# Altium PCB KlusterLab r2.0.PcbDoc (part 19 of 22)
Units mm, origin at the board's own origin, x right, y up, seen from the top; angles counter-clockwise.
Board outline 232 x 250 mm, 12 copper layers (L1 Top, L2 Inner1 (GND), L3 Inner2 (Sig), L4 Inner3 (GND), L5 Inner4 (PWR), L6 Inner5 (PWR), L7 Inner6 (PWR), L8 Inner7 (PWR), L9 Inner8 (GND), L10 Inner9 (Sig), L11 Inner10 (GND), L12 Bottom), stack 1.614 mm thick; 1169 components, 852 nets, 4679 pads, 5115 vias.
Unrouted connection lines stored in the file: 1.
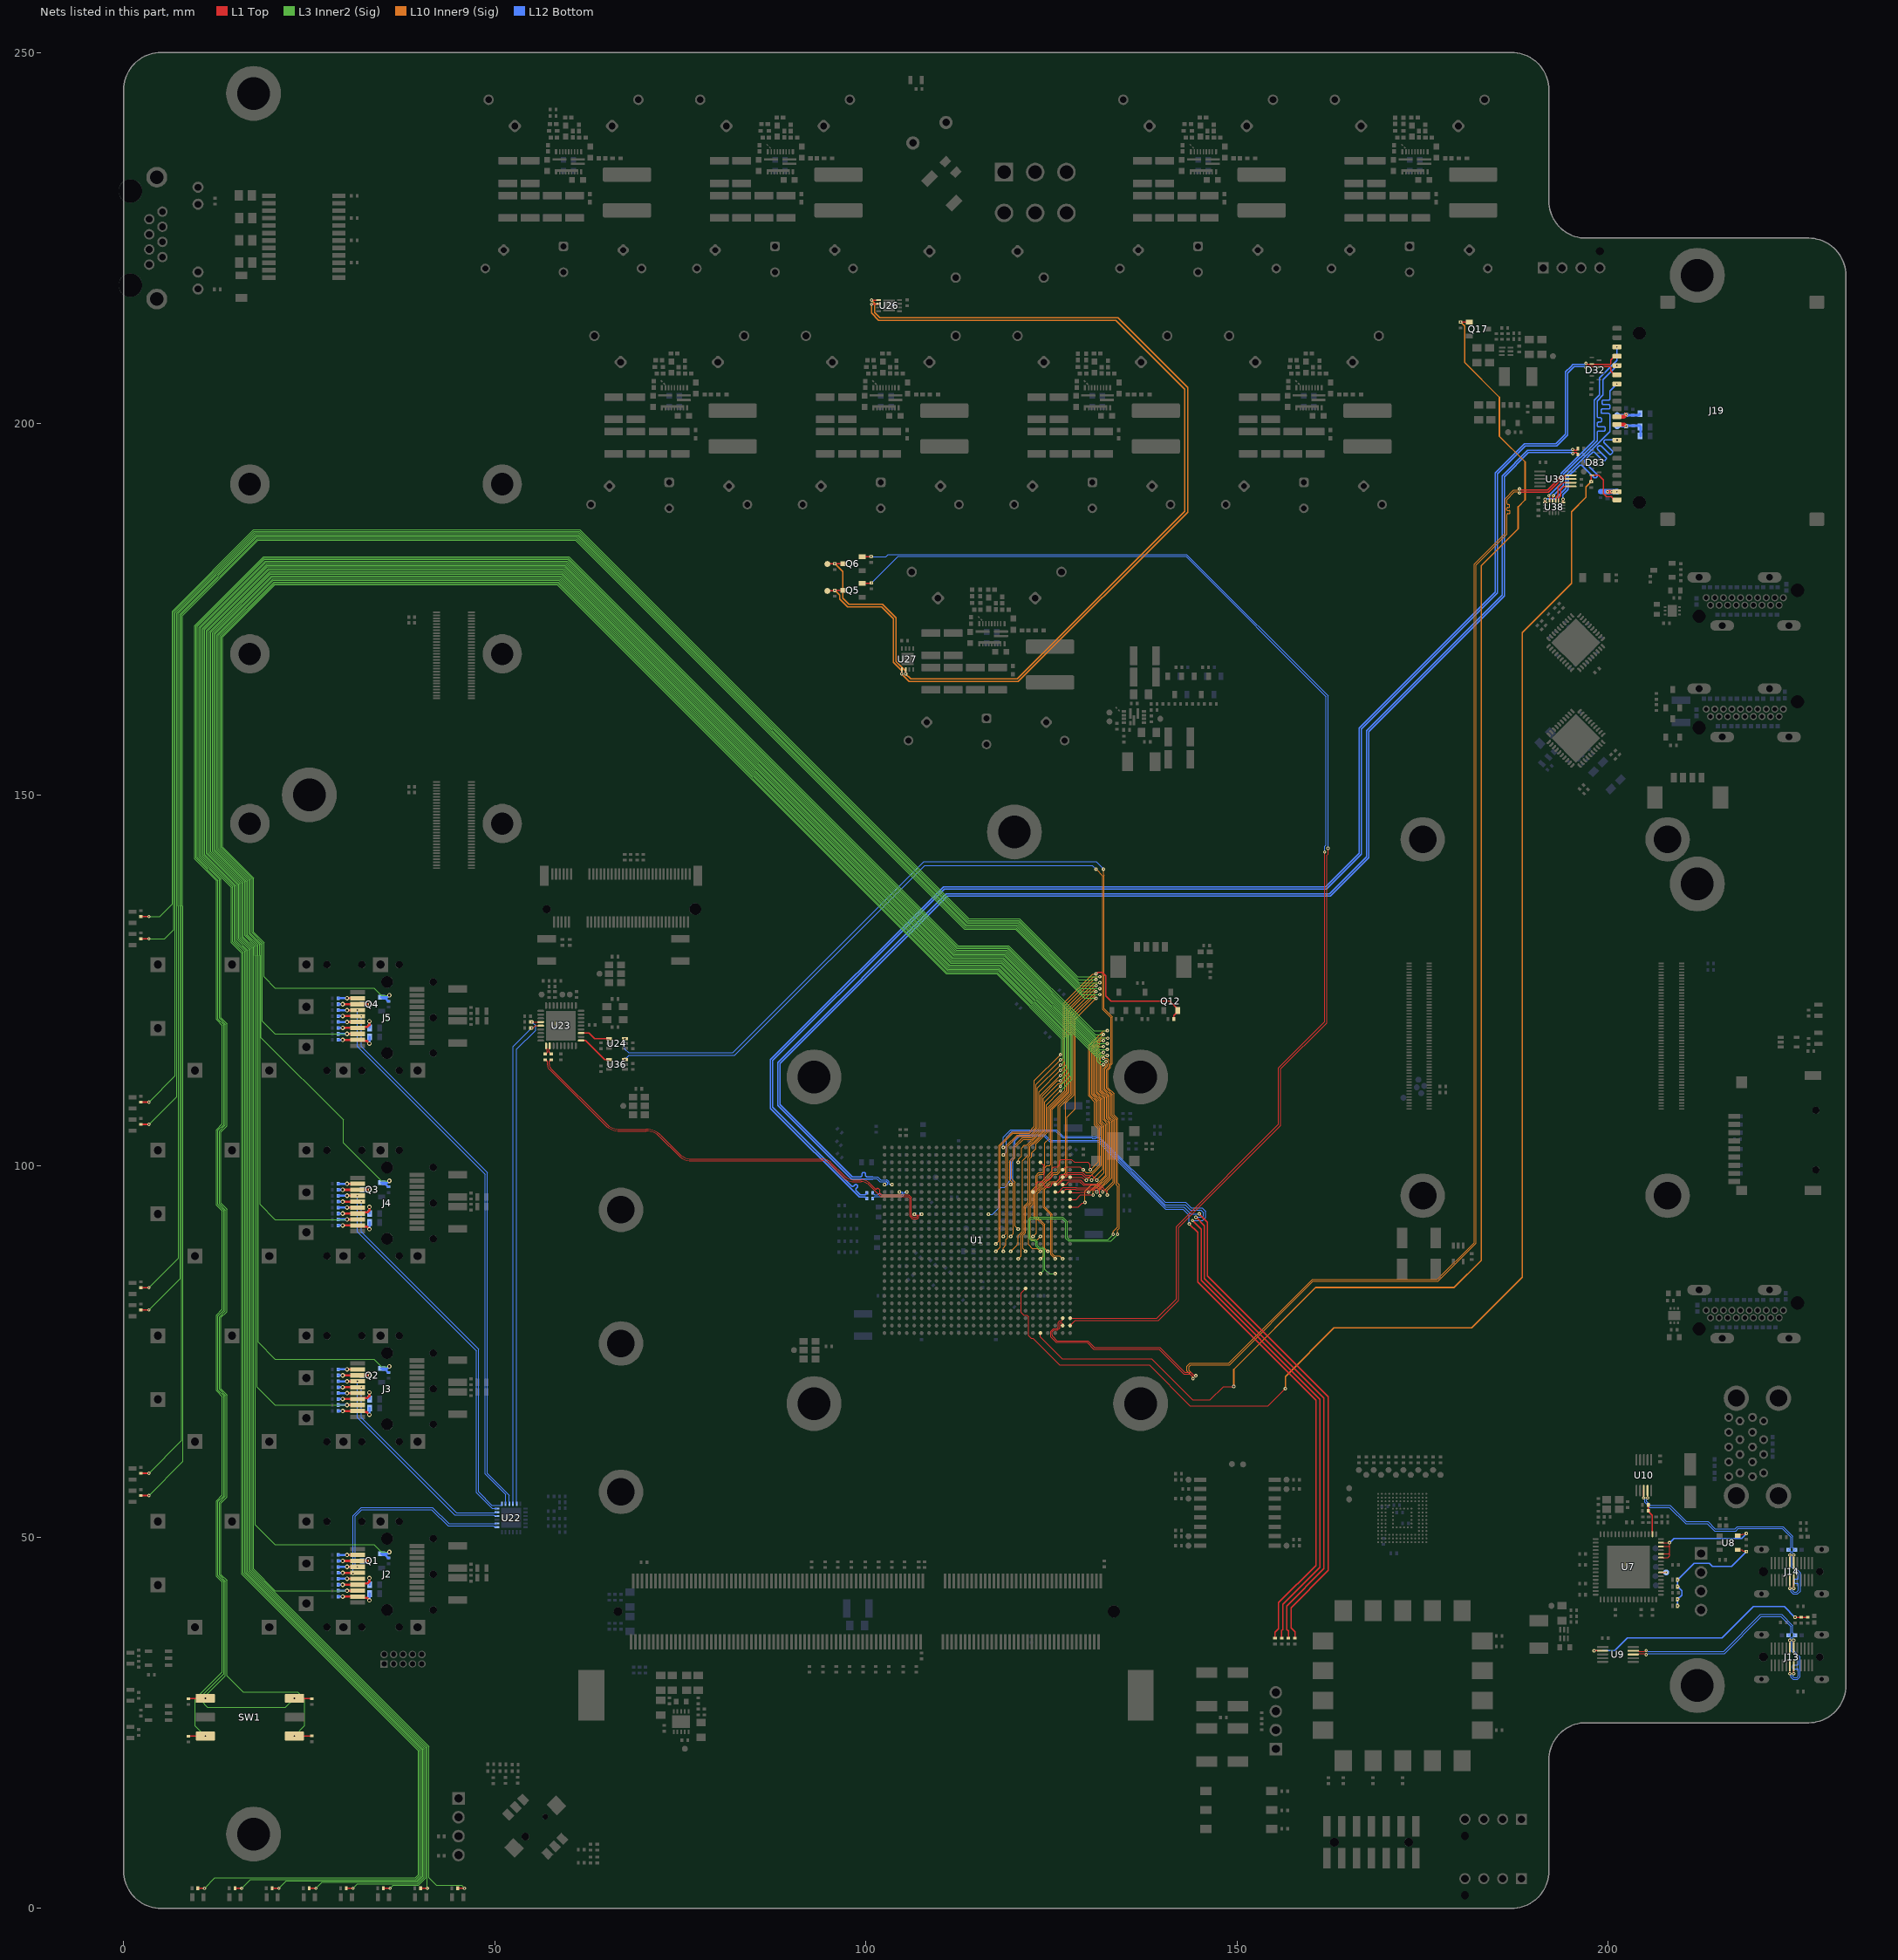
[diagram p29: the nets of this part, all layers, seen from the top]

## Via types
v1: diameter 0.45, hole 0.2, L1 Top to L12 Bottom, tented both sides, 4200 vias
v2: diameter 0.6, hole 0.3, L1 Top to L12 Bottom, tented both sides, 908 vias
v3: diameter 0.4, hole 0.2, L1 Top to L12 Bottom, tented both sides, 7 vias

## Nets (pads, with @x,y where several pads share a name; then routed paths per layer and width w, separated by ;. In a path a pad name is that pad's centre, name@x,y a point inside that pad or via, vN(x,y) a via of type N, cw(c..) or ccw(c..) an arc to the next point about the centre after c; other vN are vias at no path point) (continued)
SDCARD.PETX_N: C521.2 D32.8 J19.6 | length 202.4
  L1 Top w0.166: v1(196.999,207.551) 197.076,207.551 197.218,207.693 198.442,207.693 198.476,207.66 D32.8@198.756,207.66 ; D32.8@198.756,207.693 199.733,207.693 200.268,207.693 200.366,207.596 200.366,207.098 200.874,206.59 J19.6@201.174,206.59
  L12 Bottom w0.166: C521.2@100.105,96.4 100.105,96.35 99.902,96.147 99.203,96.147 99.075,96.275 98.687,96.663 cw(c98.851,96.828) 98.687,96.993 98.806,97.113 ccw(c98.641,97.278) 98.806,97.442 ccw(c98.641,97.278) 98.477,97.442 98.357,97.323 cw(c98.192,97.488) 98.027,97.323 97.663,97.687 87.445,107.905 87.445,114.195 104.984,131.734 110.555,137.305 162.019,137.305 166.743,142.029 166.743,158.879 185.07,177.206 185.07,181.586 185.043,181.613 185.043,193.243 188.805,197.005 193.069,197.005 194.543,198.479 194.543,206.843 195.382,207.682 196.791,207.682 196.922,207.551 v1(196.999,207.551)
SDCARD.PETX_P: C520.2 D32.2 J19.4 | length 202.4
  L1 Top w0.166: v1(196.989,208.12) 197.066,208.12 197.2,207.987 199.611,207.987 200.268,207.987 200.366,208.084 200.366,208.582 200.874,209.09 J19.4@201.174,209.09
  L12 Bottom w0.166: C520.2@100.105,95.6 100.105,95.65 99.902,95.853 99.082,95.853 87.152,107.783 87.152,114.317 110.433,137.598 161.898,137.598 166.45,142.15 166.45,159 184.777,177.327 184.777,181.464 184.75,181.491 184.75,193.365 188.683,197.298 192.948,197.298 194.25,198.6 194.25,201.927 194.25,202.775 194.25,205.4 194.25,206.965 194.993,207.707 195.26,207.975 196.767,207.975 196.912,208.12 v1(196.989,208.12)
SDCARD.RCLK_N: U1.AE25 U39.8 | length 185.1
  L1 Top w0.1: U1.AE25@126.5,78.5 126.423,78.577 126.423,78.813 126.323,78.913 126.19,78.913 126.114,78.837 126.114,78.2 125.814,77.9 125.731,77.9 125.334,77.9 125.1,77.666 125.1,77.277 125.114,77.263 125.114,77.074 125.724,76.464 129.886,76.464 130.775,75.575 139.596,75.575 142.946,72.225 143.747,72.225 144.171,71.801 144.399,71.801 v1(144.45,71.75)
  L1 Top w0.15: v1(188.05,190.65) 188.131,190.65 188.268,190.786 191.922,190.786 193.797,192.661 194.044,192.661 194.168,192.661 194.28,192.55 U39.8@194.95,192.55
  L10 Inner9 (Sig) w0.11: 143.998,71.962 143.5,72.46 143.5,72.95 143.763,73.213 148.991,73.213 160.241,84.463 177.063,84.463 182.185,89.585 182.185,180.957 186.355,185.127 186.355,187.294 186.355,187.759 cw(c186.478,187.759) 186.478,187.882 186.639,187.882 ccw(c186.639,188.005) 186.762,188.005 186.762,188.169 ccw(c186.639,188.169) 186.639,188.293 186.451,188.293 cw(c186.451,188.416) 186.328,188.416 186.328,188.58 cw(c186.451,188.58) 186.451,188.703 186.586,188.703 ccw(c186.586,188.826) 186.709,188.826 186.709,188.99 ccw(c186.586,188.99) 186.586,189.113 186.478,189.113 cw(c186.478,189.236) 186.355,189.236 186.355,189.5 186.355,189.805 187.356,190.806 187.816,190.806 187.972,190.65 v1(188.05,190.65) ; 143.999,71.962 144.234,71.727 144.234,71.726 v1@144.38,71.58
SDCARD.RCLK_P: U1.AD25 U39.9 | length 184.9
  L1 Top w0.1: U1.AD25@126.5,79.5 126.423,79.423 126.423,79.187 126.35,79.113 126.107,79.113 125.914,78.92 125.914,78.282 125.731,78.1 125.251,78.1 124.9,77.749 124.9,77.277 124.887,77.263 124.887,76.98 125.63,76.237 129.792,76.237 130.681,75.348 139.502,75.348 142.852,71.998 143.653,71.998 144.01,71.64 144.01,71.412 v1(144.061,71.361)
  L1 Top w0.15: v1(188.05,191.2) 188.131,191.2 188.268,191.063 191.808,191.063 193.683,192.938 193.929,192.938 194.168,192.938 194.28,193.05 U39.9@194.95,193.05
  L10 Inner9 (Sig) w0.11: 143.9,71.725 143.263,72.362 143.263,73.048 143.664,73.45 148.892,73.45 160.142,84.7 176.964,84.7 181.947,89.683 181.947,181.055 186.118,185.225 186.118,189.903 187.258,191.044 187.816,191.044 187.972,191.2 v1(188.05,191.2) ; 143.901,71.725 143.997,71.629 143.997,71.518 144.015,71.5 v1@144.063,71.5
SDCARD.VDD: C529.1 D33.1 J19.12 R345.2 R346.2 TP32.1 | length 5.8
  L1 Top w0.5: J19.12@201.174,199.89 202.158,199.89 202.373,199.675 v1(202.4,199.675)
  L12 Bottom w0.35: TP32.1@201.2,199.675 v1(202.4,199.675) 202.467,199.742 C529.1@203.347,199.742 ; C529.1@203.35,199.745 204.225,199.745 204.375,199.595 204.375,199.55 R346.2@204.375,198.35
SDCARD.VDD2: C528.1 D34.1 J19.11 R348.2 TP33.1 | length 4.6
  L1 Top w0.5: J19.11@201.174,200.94 202.115,200.94 v1(202.4,201.225)
  L12 Bottom w0.35: TP33.1@201.2,201.15 202.3,201.15 202.363,201.213 D34.1@202.363,201.263 ; v1(202.4,201.225) 202.47,201.155 C528.1@203.3,201.155 ; C528.1@203.3,201.155 204.125,201.155 204.275,201.305 R348.2@204.275,201.35
SDCARD.VDD3: C527.1 D82.1 J19.20 TP34.1 | length 3.5
  L1 Top w0.5: v1(199.9,190.825) 199.915,190.84 v1(201.174,190.84)
  L12 Bottom w0.7: C527.1@198.95,190.845 198.955,190.84 v1(201.174,190.84)
  other v1: 200.473,190.825
SDCARD.VSEL: Q17.1 R344.1 U1.AF22 | length 206.2
  L1 Top w0.1: U1.AF22@123.5,77.5 123.5,76.948 126.443,74.005 138.5,74.005 144,68.505 146.355,68.505 148.15,70.3 v1(149.55,70.3)
  L1 Top w0.15: v1(180.1,213.695) 181.26,213.695 Q17.1@181.265,213.7
  L10 Inner9 (Sig) w0.2: v1(149.55,70.3) 149.55,72.6 160.597,83.647 179.247,83.647 182.885,87.285 182.885,180.879 187.85,185.845 187.85,188.796 188.8,189.746 188.8,194.852 185.339,198.313 185.339,203.561 180.65,208.25 180.65,213.145 v1(180.1,213.695)
SDCARD.WP: D83.5 J19.21 R338.2 U1.Y20 | length 203.6
  L1 Top w0.1: 120.899,80.334 120.899,80.251 121.25,79.9 121.692,79.9 121.9,79.692 121.9,77.167 122.267,76.8 122.493,76.8 126.105,73.188 138.162,73.188 143.662,67.688 154.18,67.688 v1(156.5,70.008) ; 120.9,80.334 120.9,82.666 120.9,82.9 U1.Y20@121.5,83.5
  L1 Top w0.15: v1(197.7,192.195) 197.7,193.025 197.725,193.05 D83.5@197.806,193.05 198.7,193.05 199.352,192.398 199.352,190.575 199.73,190.198 200.383,190.198 200.841,189.74 J19.21@201.174,189.74
  L10 Inner9 (Sig) w0.2: v1(156.5,70.008) 156.5,71.636 163.055,78.19 181.59,78.19 188.4,85 188.4,171.851 195.05,178.501 195.05,188.15 197,190.1 197,191.495 v1(197.7,192.195)
SDCARD_CLK: J19.14 U38.8 | length 24.6
  L1 Top w0.15: U38.8@193.9,189.4 v1(193.9,189.8)
  L12 Bottom w0.15: v1(193.9,189.8) 193.9,190.45 194.6,191.15 194.6,192.868 195.623,193.892 196.101,194.369 cw(c196.27,194.199) 196.44,194.369 198.047,192.762 ccw(c198.217,192.932) 198.386,192.762 198.471,192.847 ccw(c198.301,193.017) 198.471,193.186 196.864,194.793 cw(c197.034,194.963) 196.864,195.133 197.15,195.419 197.374,195.642 197.851,196.119 cw(c198.021,195.949) 198.19,196.119 199.24,195.069 ccw(c199.41,195.239) 199.58,195.069 199.665,195.154 ccw(c199.495,195.324) 199.665,195.493 198.602,196.556 cw(c198.772,196.725) 198.602,196.895 198.687,196.98 cw(c198.857,196.81) 199.026,196.98 200.089,195.918 ccw(c200.259,196.087) 200.428,195.918 200.513,196.002 ccw(c200.344,196.172) 200.513,196.342 199.463,197.392 cw(c199.633,197.562) 199.463,197.731 199.532,197.8 199.857,197.8 v1(201.2,197.8)
SDCARD_CMD: J19.7 U38.13 | length 24.6
  L1 Top w0.15: U38.13@191.5,189.4 v1(191.5,189.8)
  L12 Bottom w0.15: v1(191.5,189.8) 191.581,189.8 191.681,189.9 192.873,189.9 194.283,191.31 194.283,193.026 200.218,198.961 200.218,201.125 200.218,201.2 ccw(c200.038,201.2) 200.038,201.38 199.21,201.38 cw(c199.21,201.56) 199.03,201.56 199.03,201.8 cw(c199.21,201.8) 199.21,201.98 200.046,201.98 ccw(c200.046,202.16) 200.226,202.16 200.226,202.4 ccw(c200.046,202.4) 200.046,202.58 199.341,202.58 cw(c199.341,202.76) 199.161,202.76 199.161,203 cw(c199.341,203) 199.341,203.18 200.038,203.18 ccw(c200.038,203.36) 200.218,203.36 200.218,204.163 200.218,204.384 v1(201.174,205.34)
SDCARD_DAT0: U38.10 U39.7 | length 3.9
  L1 Top w0.15: U38.10@192.9,189.6 192.925,189.625 192.925,190.025 193.25,190.35 193.25,191.4 193.9,192.05 U39.7@194.95,192.05
SDCARD_DAT1: U38.9 U39.6 | length 3.2
  L1 Top w0.15: U38.9@193.301,189.601 193.301,190.011 193.609,190.32 193.609,191.144 194.015,191.55 U39.6@194.95,191.55
SDCARD_DAT2: J19.3 U38.12 | length 24.6
  L1 Top w0.15: v1(192,190.3) 192,190.219 192.1,190.119 U38.12@192.1,189.6
  L12 Bottom w0.15: v1(192,190.3) 193.63,191.93 193.63,193.289 198.125,197.784 198.125,203.175 198.825,203.875 198.825,206.175 201.174,208.524 v1(201.174,210.34)
SDCARD_DAT3: J19.5 U38.11 | length 24.6
  L1 Top w0.15: U38.11@192.5,189.6 192.5,190.119 192.6,190.219 v1(192.6,190.3)
  L12 Bottom w0.15: v1(192.6,190.3) 193.952,191.652 193.952,193.169 198.5,197.716 198.5,198.15 198.5,198.825 cw(c198.68,198.825) 198.68,199.005 199.395,199.005 ccw(c199.395,199.185) 199.575,199.185 199.575,199.425 ccw(c199.395,199.425) 199.395,199.605 198.677,199.605 cw(c198.677,199.785) 198.497,199.785 198.497,200.025 cw(c198.677,200.025) 198.677,200.205 198.925,200.205 ccw(c198.925,200.385) 199.105,200.385 199.105,200.625 ccw(c198.925,200.625) 198.925,200.805 198.68,200.805 cw(c198.68,200.985) 198.5,200.985 198.5,201.75 198.5,203.075 199.293,203.868 199.293,205.959 v1(201.174,207.84)
SDCARD_PERX_N: C521.1 U1.G3 | length 5.1
  L12 Bottom w0.1: C521.1@100.895,96.4 101.195,96.1 101.507,96.1 101.557,96.1 101.627,96.17 101.627,96.222 101.697,96.292 101.907,96.292 101.977,96.222 101.977,96.17 102.047,96.1 102.102,96.1 104.689,96.1 ; v1(104.5,96.5) 104.802,96.5 ; 104.669,96.1 104.682,96.1 ccw(c104.681,96.2) 104.689,96.1 ccw(c104.669,96.355) 104.905,96.258 ccw(c104.669,96.355) 104.925,96.356 104.925,96.39 ccw(c104.814,96.39) 104.814,96.5
SDCARD_PERX_P: C520.1 U1.G4 | length 5.2
  L12 Bottom w0.1: C520.1@100.895,95.6 101.195,95.9 104.735,95.9 ccw(c104.735,96.29) 105.125,96.29 ; 105.124,96.344 ccw(c104.669,96.355) 105.125,96.356 105.125,96.39 ; 105.125,96.29 105.125,96.341 cw(c105.225,96.341) 105.125,96.344 ; 105.125,96.39 cw(c105.236,96.39) 105.236,96.5 ; 105.247,96.5 v1(105.5,96.5) v1@105.549,96.5
SDCARD_PETX_N: C523.1 U1.F1 | length 187.1
  L1 Top w0.166: v1(195.213,196.532) 195.29,196.532 195.426,196.397 195.702,196.397 195.905,196.6 C523.1@195.905,196.65
  L12 Bottom w0.1: 100.942,98.253 100.992,98.304 101.475,98.304 101.879,97.9 102.689,97.9 ; v1(102.5,97.5) 102.802,97.5 ; 102.689,97.9 cw(c102.669,97.645) 102.905,97.742 cw(c102.669,97.645) 102.925,97.644 102.925,97.61 cw(c102.814,97.61) 102.814,97.5
  L12 Bottom w0.166: 100.942,98.253 98.032,98.253 88.107,108.179 88.107,113.921 110.829,136.643 162.443,136.643 167.45,141.65 167.45,158.65 185.732,176.932 185.732,181.185 185.705,181.212 185.705,192.969 189.122,196.387 194.991,196.387 195.136,196.532 v1(195.213,196.532)
SDCARD_PETX_P: C522.1 U1.F2 | length 187.3
  L1 Top w0.166: v1(195.223,195.963) 195.3,195.963 195.441,196.103 195.702,196.103 195.905,195.9 C522.1@195.905,195.85
  L12 Bottom w0.1: 100.942,98.547 100.985,98.504 101.558,98.504 101.962,98.1 102.735,98.1 cw(c102.735,97.71) 103.125,97.71 103.125,97.659 ccw(c103.225,97.659) 103.125,97.656 ; 103.124,97.656 cw(c102.669,97.645) 103.125,97.644 103.125,97.61 ccw(c103.236,97.61) 103.236,97.5 ; 103.247,97.5 v1(103.5,97.5) v1@103.549,97.5
  L12 Bottom w0.166: 100.942,98.547 100.717,98.547 100.167,98.547 cw(c100.167,98.78) 99.934,98.78 99.934,98.914 ccw(c99.701,98.914) 99.701,99.147 ccw(c99.701,98.914) 99.468,98.914 99.468,98.78 cw(c99.235,98.78) 99.235,98.547 98.525,98.547 98.153,98.547 88.4,108.3 88.4,113.8 110.95,136.35 162.565,136.35 167.743,141.529 167.743,141.771 167.743,158.529 186.025,176.81 186.025,181.306 185.998,181.333 185.998,192.848 189.244,196.094 195.015,196.094 195.146,195.963 v1(195.223,195.963)
SFP+_0_ACT: R276.1 U1.T25 | length 314.4
  L1 Top w0.2: R276.1@2.3,55.605 v1(3.395,55.605)
  L3 Inner2 (Sig) w0.1: v1@3.295,55.605 v1@3.345,55.655 ; v1(3.395,55.605) 7.95,60.16 7.95,135.022 7.95,174.166 18.084,184.3 60.885,184.3 113.285,131.9 120.123,131.9 129.423,122.6 v1(131,122.6)
  L10 Inner9 (Sig) w0.1: v1(126.5,87.5) 126.1,87.9 125.4,87.9 125.1,88.2 125.1,93.483 124.1,94.483 124.1,96.9 124.825,97.625 125.825,97.625 127.1,98.9 127.1,106.583 128.2,107.683 128.2,119.813 130.987,122.6 v1(131,122.6)
SFP+_0_I2C_SCL: J2.5 R23.1 U22.8 | length 31.2
  L1 Top w0.3: v2(29.5,45.2) J2.5@31.5,45.2
  L12 Bottom w0.1: v1(30.9,45.1) 30.9,52.9 32,54 41.6,54 43.8,51.8 50.2,51.8 U22.8@50.3,51.9
  L12 Bottom w0.3: R23.1@28.895,45.2 v2(29.5,45.2)
SFP+_0_I2C_SDA: J2.4 R22.1 U22.7 | length 29.9
  L1 Top w0.3: v2(30.1,46) v1(31.5,46)
  L12 Bottom w0.1: v1(31.5,46) 31.2,46.3 31.2,52.8 32.1,53.7 41.5,53.7 43.7,51.5 49.8,51.5 49.875,51.425 50.175,51.425 U22.7@50.2,51.4
  L12 Bottom w0.3: R22.1@28.895,46 v2(30.1,46)
SFP+_0_Link: R275.1 U1.T24 | length 312.3
  L1 Top w0.2: R275.1@2.3,58.605 v1(3.395,58.605)
  L3 Inner2 (Sig) w0.1: v1@3.295,58.605 v1@3.345,58.655 ; v1(3.395,58.605) 7.75,62.96 7.75,135.022 7.75,174.249 18.001,184.5 60.968,184.5 113.368,132.1 120.205,132.1 129.205,123.1 v1(131.5,123.1)
  L10 Inner9 (Sig) w0.1: v1(125.5,87.5) 124.9,88.1 124.9,93.4 123.9,94.4 123.9,97 124.775,97.875 125.675,97.875 126.9,99.1 126.9,108.5 128,109.6 128,120.13 130.97,123.1 v1(131.5,123.1)
SFP+_0_LOS: J2.8 R30.1 U1.T19 | length 323
  L1 Top w0.3: v2(30.1,42.8) J2.8@31.5,42.8
  L3 Inner2 (Sig) w0.1: v2(30.1,42.8) 20.383,42.8 17.5,45.683 17.5,129.466 16.1,130.866 16.1,138.22 11.95,142.37 11.95,171.83 19.82,179.7 44.217,179.7 58.98,179.7 111.38,127.3 118.18,127.3 127.8,117.68 127.8,111.7 126.207,110.107 v1(126.193,110.107)
  L10 Inner9 (Sig) w0.1: v1(120.5,87.5) 120.9,87.9 120.9,90.713 121.3,91.113 121.3,94.569 121.875,95.144 121.875,101.175 122.1,101.4 122.1,102.655 122.438,102.993 122.622,102.993 124.3,104.672 124.3,108.249 126.158,110.107 v1(126.193,110.107)
  L12 Bottom w0.3: R30.1@28.895,42.8 v2(30.1,42.8)
SFP+_0_MOD_ABS: J2.6 R24.1 | length 2.6
  L1 Top w0.3: v2(30.1,44.4) J2.6@31.5,44.4
  L12 Bottom w0.3: R24.1@28.895,44.4 v2(30.1,44.4)
SFP+_0_RS0: J2.7 R25.1 R26.1 | length 5.8
  L1 Top w0.3: v2(29.5,43.6) J2.7@31.5,43.6 31.65,43.75 32.85,43.75 33.1,44 v2(33.1,44.5)
  L12 Bottom w0.3: R25.1@28.895,43.6 v2(29.5,43.6) ; v2(33.1,44.5) 33.113,44.487 33.113,43.613 R26.1@33.125,43.6
SFP+_0_RS1: J2.9 R27.1 R29.1 | length 5.3
  L1 Top w0.3: v2(29.5,42) J2.9@31.5,42 31.65,41.85 32.75,41.85 v2(33.1,41.5)
  L12 Bottom w0.3: R29.1@28.895,42 v2(29.5,42) ; v2(33.1,41.5) 33.113,41.513 33.113,42.388 R27.1@33.125,42.4
SFP+_0_TX_DIS_LS: J2.3 Q1.3 R21.1 | length 5.2
  L1 Top w0.3: v2(29.5,46.8) v2(33.2,46.8)
  L12 Bottom w0.3: R21.1@28.895,46.8 v2(29.5,46.8) ; Q1.3@32.265,46.8 v2(33.2,46.8)
SFP+_0_TX_EN: Q1.1 R28.2 U1.R18 | length 321.2
  L3 Inner2 (Sig) w0.1: v2(35.8,48) 34.7,48 33.7,49 20.4,49 17.7,51.7 17.7,128.4 17.7,129.6 16.3,131 16.3,138.303 12.15,142.453 12.15,171.747 19.903,179.5 44.134,179.5 58.897,179.5 111.297,127.1 118.097,127.1 127.6,117.597 127.6,112.2 126.2,110.8 v1(126.2,110.738)
  L10 Inner9 (Sig) w0.1: v1(119.5,88.5) 120.5,89.5 120.5,90.6 121.1,91.2 121.1,100.7 121.9,101.5 121.9,102.787 122.307,103.193 122.539,103.193 124.1,104.754 124.1,108.638 v1(126.2,110.738)
  L12 Bottom w0.3: R28.2@35.7,47.195 35.65,47.195 35.27,47.575 34.91,47.575 Q1.1@34.735,47.75 35.55,47.75 v2(35.8,48)
SFP+_0_TX_FAULT: J2.2 R20.1 | length 2.6
  L1 Top w0.3: v2(30.1,47.6) J2.2@31.5,47.6
  L12 Bottom w0.3: R20.1@28.895,47.6 v2(30.1,47.6)
SFP+_1_ACT: R278.1 U1.R23 | length 288.8
  L1 Top w0.2: R278.1@2.3,80.605 v1(3.395,80.605)
  L3 Inner2 (Sig) w0.1: v1(3.395,80.605) 7.55,84.76 7.55,135.022 7.55,174.331 17.919,184.7 46.288,184.7 61.051,184.7 113.451,132.3 120.288,132.3 129.088,123.5 v1(131,123.5)
  L10 Inner9 (Sig) w0.1: v1(124.5,88.5) 124.1,88.9 124.1,92.118 123.075,93.143 123.075,96.309 123.7,96.934 123.7,97.3 125.297,98.897 125.8,98.897 126.119,99.216 126.119,108.019 127.8,109.7 127.8,120.3 v1(131,123.5)
SFP+_1_I2C_SCL: J3.5 R34.1 U22.11 | length 30.3
  L1 Top w0.3: v2(29.5,70.2) J3.5@31.5,70.2
  L12 Bottom w0.1: v1(32,70.2) 32,66.1 44.8,53.3 50.2,53.3 U22.11@50.3,53.4
  L12 Bottom w0.3: R34.1@28.895,70.2 v2(29.5,70.2)
SFP+_1_I2C_SDA: J3.4 R33.1 U22.10 | length 31.7
  L1 Top w0.3: v2(30.1,71) v1(31.5,71)
  L12 Bottom w0.1: v1(31.5,71) 31.5,66.1 44.6,53 49.8,53 49.875,52.925 50.175,52.925 U22.10@50.2,52.9
  L12 Bottom w0.3: R33.1@28.895,71 v2(30.1,71)
SFP+_1_Link: R277.1 U1.T22 | length 288.5
  L1 Top w0.2: R277.1@2.3,83.605 v1(3.395,83.605)
  L3 Inner2 (Sig) w0.1: v1(3.395,83.605) 7.35,87.56 7.35,135.022 7.35,174.414 17.836,184.9 61.134,184.9 113.534,132.5 120.371,132.5 128.971,123.9 v1(131.5,123.9)
  L10 Inner9 (Sig) w0.1: v1(123.5,87.5) 123.9,87.9 123.9,92.035 122.875,93.06 122.875,96.392 123.5,97.017 123.5,97.383 ; 123.5,97.4 123.5,97.383 ; v1(131.5,123.9) 130.87,123.9 127.6,120.63 127.6,109.8 125.919,108.119 125.919,99.299 125.717,99.097 125.214,99.097 123.5,97.383
SFP+_1_LOS: J3.8 R41.1 U1.M19 | length 293.9
  L1 Top w0.3: v2(30.1,67.8) J3.8@31.5,67.8
  L3 Inner2 (Sig) w0.1: v2(30.1,67.8) 20.383,67.8 17.9,70.283 17.9,128.4 17.9,129.683 16.5,131.083 16.5,138.386 12.35,142.536 12.35,171.664 19.986,179.3 44.051,179.3 58.814,179.3 111.214,126.9 118.014,126.9 127.4,117.514 127.4,112.7 v1(126.188,111.488)
  L10 Inner9 (Sig) w0.1: v1(120.5,91.5) 120.1,91.9 120.1,97.8 119.6,98.3 119.6,100.6 120.1,101.1 120.1,102.5 121.2,103.6 122.38,103.6 123.7,104.92 123.7,109.4 125.788,111.488 v1(126.188,111.488)
  L12 Bottom w0.3: R41.1@28.895,67.8 v2(30.1,67.8)
SFP+_1_MOD_ABS: J3.6 R35.1 | length 2.6
  L1 Top w0.3: v2(30.1,69.4) J3.6@31.5,69.4
  L12 Bottom w0.3: R35.1@28.895,69.4 v2(30.1,69.4)
SFP+_1_RS0: J3.7 R36.1 R37.1 | length 5.8
  L1 Top w0.3: v2(29.5,68.6) J3.7@31.5,68.6 31.65,68.75 32.85,68.75 33.1,69 v2(33.1,69.5)
  L12 Bottom w0.3: R36.1@28.895,68.6 v2(29.5,68.6) ; v2(33.1,69.5) 33.113,69.487 33.113,68.612 R37.1@33.125,68.6
SFP+_1_RS1: J3.9 R38.1 R40.1 | length 5.3
  L1 Top w0.3: v2(29.5,67) J3.9@31.5,67 31.65,66.85 32.75,66.85 v2(33.1,66.5)
  L12 Bottom w0.3: R40.1@28.895,67 v2(29.5,67) ; v2(33.1,66.5) 33.113,66.513 33.113,67.388 R38.1@33.125,67.4
SFP+_1_TX_DIS_LS: J3.3 Q2.3 R32.1 | length 5.2
  L1 Top w0.3: v2(29.5,71.8) v2(33.2,71.8)
  L12 Bottom w0.3: R32.1@28.895,71.8 v2(29.5,71.8) ; Q2.3@32.265,71.8 v2(33.2,71.8)
SFP+_1_TX_EN: Q2.1 R39.2 U1.N18 | length 293.5
  L3 Inner2 (Sig) w0.1: v2(35.8,73) 34.7,73 33.7,74 20.4,74 18.1,76.3 18.1,128.4 18.1,129.766 16.7,131.166 16.7,138.469 12.55,142.619 12.55,171.581 20.069,179.1 43.969,179.1 58.731,179.1 111.131,126.7 117.931,126.7 127.2,117.431 127.2,113.2 v1(126.2,112.2)
  L10 Inner9 (Sig) w0.1: v1(119.5,90.5) 119.875,90.875 119.875,97.655 119.4,98.13 119.4,100.7 119.875,101.175 119.875,102.575 121.1,103.8 122.297,103.8 123.5,105.003 123.5,109.5 v1(126.2,112.2)
  L12 Bottom w0.3: R39.2@35.7,72.195 35.65,72.195 35.27,72.575 34.91,72.575 Q2.1@34.735,72.75 35.55,72.75 v2(35.8,73)
SFP+_1_TX_FAULT: J3.2 R31.1 | length 2.6
  L1 Top w0.3: v2(30.1,72.6) J3.2@31.5,72.6
  L12 Bottom w0.3: R31.1@28.895,72.6 v2(30.1,72.6)
SFP+_2_ACT: R280.1 U1.N21 | length 262.6
  L1 Top w0.2: R280.1@2.3,105.605 v1(3.395,105.605)
  L3 Inner2 (Sig) w0.1: v1(3.395,105.605) 7.15,109.36 7.15,135.022 7.15,174.497 17.753,185.1 46.454,185.1 61.217,185.1 113.617,132.7 120.454,132.7 128.854,124.3 131,124.3 v1(131.007,124.293)
  L10 Inner9 (Sig) w0.1: v1(122.504,90.5) 122.935,90.932 122.935,92.7 122.675,92.96 122.675,96.475 123.3,97.1 123.3,97.55 125.1,99.35 125.1,107.634 127.4,109.934 127.4,120.9 130.735,124.235 130.948,124.235 v1(131.007,124.293)
SFP+_2_I2C_SCL: J4.5 R45.1 U22.13 | length 52.3
  L1 Top w0.3: v2(29.5,95.2) J4.5@31.5,95.2
  L12 Bottom w0.1: v1(32,95.2) 32,91.1 47.8,75.3 47.8,56.1 49.6,54.3 50.875,54.3 50.95,54.375 U22.13@50.95,54.513
  L12 Bottom w0.3: R45.1@28.895,95.2 v2(29.5,95.2)
SFP+_2_I2C_SDA: J4.4 R44.1 U22.12 | length 52.9
  L1 Top w0.3: v2(30.1,96) v1(31.5,96)
  L12 Bottom w0.1: v1(31.5,96) 31.5,91.1 47.5,75.1 47.5,56 49.65,53.85 U22.12@50.287,53.85
  L12 Bottom w0.3: R44.1@28.895,96 v2(30.1,96)
SFP+_2_Link: R279.1 U1.N22 | length 263.5
  L1 Top w0.2: R279.1@2.3,108.605 v1(3.395,108.605)
  L3 Inner2 (Sig) w0.1: v1(3.395,108.605) 6.95,112.16 6.95,133.899 ; 6.95,133.872 6.95,174.58 17.67,185.3 46.537,185.3 61.299,185.3 113.699,132.9 120.537,132.9 128.737,124.7 v1(131.5,124.7)
  L10 Inner9 (Sig) w0.1: v1(123.5,90.5) 123.1,90.1 122.329,90.1 122.129,90.3 122.129,94.549 122.475,94.896 122.475,96.575 123.096,97.196 123.096,98.646 123.35,98.9 123.882,98.9 124.109,99.127 124.109,99.759 124.4,100.05 124.7,100.05 124.9,100.25 124.9,107.717 127.2,110.017 127.2,121.1 130.775,124.675 131.475,124.675 v1(131.5,124.7)